# Altium PCB clock.PcbDoc (part 1 of 3) (continued)
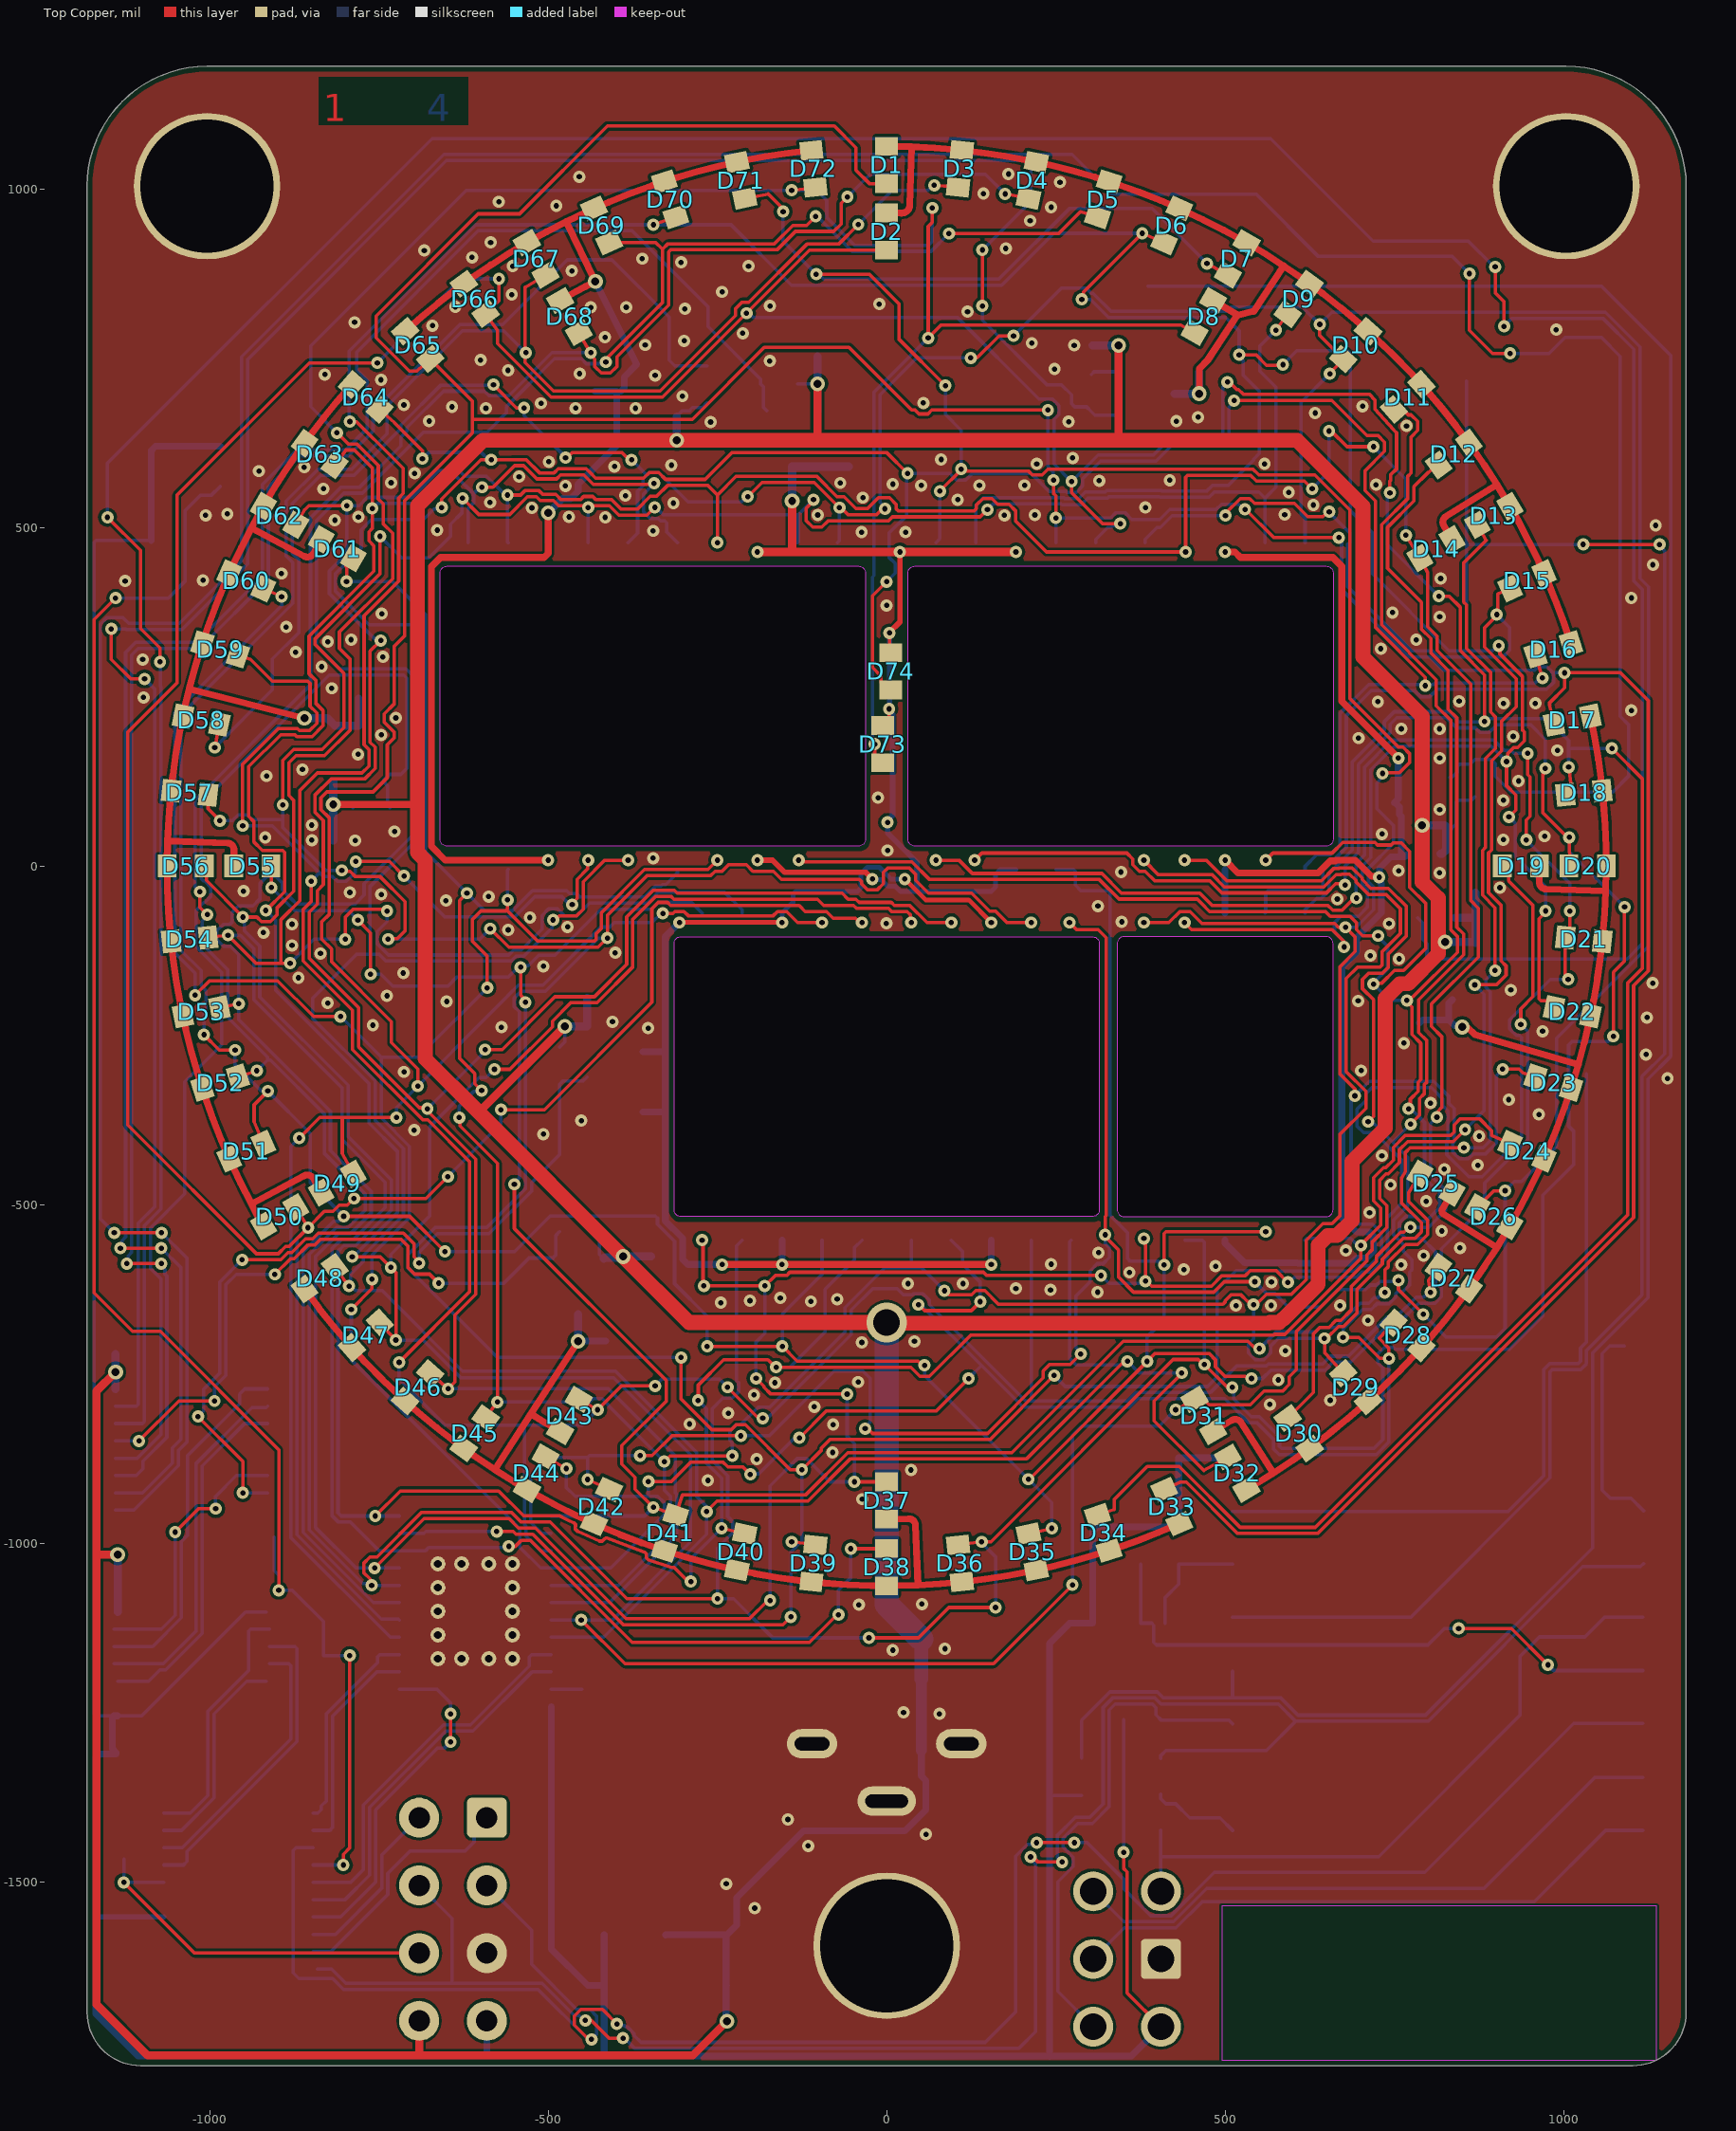
[diagram p0: Top Copper view]
## Footprints (in the part's own frame and the unit in brackets; to place one, negate y for a bottom-side part, rotate by r counter-clockwise, add the part's x,y. Pads: shape width x height; smd on the part's side, far side on the other; paste and mask are expansions set on the pad)
"0603 CHIP SMD LED" [mm] "LED 0603"
  rrect1% 0.7x0.85 smd mask+0.05: 1(-0.7,0) 2(0.7,0)
  body extent -0.8,-0.4 0.8,0.4, height 0.6
ALS-PT19-315C [mm] "Phototransistor 3216"
  rrect1% 0.8x0.8 smd: 1(-0.75,0) 2(0.75,0)
  body extent -0.85,-0.4 0.85,0.4, height 0.55
CAPC_0603_1608X08L [mm] "Chip Capacitor 0603"
  rrect1% 0.6x0.85 smd: 1(-0.725,0) 2(0.725,0)
  silkscreen extent -0.28,-0.38 0.28,0.38, body extent -0.8,-0.4 0.8,0.4, height 0.8
CAPC_1206_3216X16L [mm] "Chip Capacitor 1206"
  rrect1% 0.95x1.65 smd: 1(-1.4,0) 2(1.4,0)
  silkscreen extent -0.69,-0.71 0.69,0.71, body extent -1.6,-0.8 1.6,0.8, height 1.6
CON2X3 [mm] "2x3 2.54mm"
  round 1.5 hole 1 paste+0 mask+0: 1(0,0) 2(2.54,0) 3(5.08,0) 4(5.08,2.54) 6(0,2.54)
  rrect20% 1.5x1.5 hole 1 paste+0 mask+0: 5(2.54,2.54)
  silkscreen extent -1.4,-1.4 6.35,3.81, body extent -1.27,-1.27 6.35,3.81, height 8.38
CON2X4 [mm] "1.27 4 x 2"
  rrect25% 1.5x1.5 hole 0.8: 1(0,0)
  round 1.5 hole 0.8: 2(2.54,0) 3(5.08,0) 4(7.62,0) 5(7.62,2.54) 6(5.08,2.54) 7(2.54,2.54) 8(0,2.54)
  silkscreen extent -1.4,-1.4 8.89,3.81, body extent -1.27,-1.27 8.89,3.81, height 8.38
"ESP8266 ESP-12-E" [mm] "ESP8266 ESP-12-E"
  rrect1% 2.3x1.1 smd: 1(-16.486,16.408) 2(-16.486,14.427) 3(-16.486,12.421) 4(-16.486,10.439) 5(-16.486,8.407) 6(-16.486,6.426) 7(-16.486,4.445) 8(-16.486,2.438) 15(-1.065,2.413) 16(-1.065,4.42) 17(-1.065,6.401) 18(-1.091,8.407) 19(-1.091,10.414) 20(-1.091,12.395) 21(-1.091,14.427) 22(-1.091,16.408)
  rrect1% 1.1x2.3 smd: 9(-13.792,0.456) 10(-11.811,0.456) 11(-9.83,0.456) 12(-7.798,0.456) 13(-5.817,0.456) 14(-3.785,0.456)
  Keep-Out Layer region: -16.891,25.019 -0.583,25.019 -0.583,19.252 -16.891,19.252
  silkscreen extent -16.89,0.76 -0.64,25.02, body extent -16.76,0.83 -0.76,24.83, height 3.17
FSM-SWITCH [mm]
  rrect10% 1x2.1 smd: 1(-2.25,-4.2) 1(-2.25,4.2) 2(2.25,-4.2) 2(2.25,4.2)
  silkscreen extent -3,-3.03 3,2.97, body extent -3,-5 3,5, height 5.07
KCSA03105 [mm]
  rrect1% 1x1.25 smd: 1(3,-6.132) 2(1.5,-6.132) 3(0,-6.132) 4(-1.5,-6.132) 5(-3,-6.132) 6(-3,6.132) 7(-1.5,6.132) 8(0,6.132) 9(1.5,6.132) 10(3,6.132)
  body extent -3.8,-6.5 3.8,6.5, height 1.6
RESC1608X03L [mm] "Chip Resistor, 2-Leads, Body 1.60x0.80mm, IPC High Density"
  rrect1% 0.5x0.85 smd: 1(-0.7,0) 2(0.7,0)
  silkscreen extent -0.27,-0.18 0.28,0.17, body extent -0.8,-0.4 0.8,0.4, height 0.3
RV-8263-C7 [mm]
  rrect1% 0.5x0.8 smd: 1(-1.35,-0.8) 2(-0.45,-0.8) 3(0.45,-0.8) 4(1.35,-0.8) 5(1.35,0.8) 6(0.45,0.8) 7(-0.45,0.8) 8(-1.35,0.8)
  silkscreen extent -2.2,-1.5 2.2,1.5, body extent -1.6,-0.75 1.6,0.75, height 0.9
SOT95P230X110-3L [mm] "SOT23, 3-Leads, Body 2.90x2.30mm, Pitch 0.95mm, IPC High Density"
  rrect1% 0.7x0.55 smd: 1(-1.05,0.95) 2(-1.05,-0.95) 3(1.05,0)
  silkscreen extent -0.52,-1.5 0.53,1.5, body extent -1.3,-1.5 1.3,1.5, height 1.1
SOT230P700X180-4N [mm] "SOT223, 4-Leads, Body 6.50x7.00mm (avg), Pitch 2.30mm, IPC Medium Density"
  rrect1% 2.15x1 smd: 1(-2.925,2.3) 2(-2.925,0) 3(-2.925,-2.3)
  rrect1% 2.15x3.25 smd: 4(2.925,0)
  silkscreen extent -3.05,-3.35 1.55,3.48, body extent -3.5,-3.35 3.5,3.35, height 1.8
TESTPOINT_BIG [mm] "fatter"
  oval 2x1 smd paste-5: 1(0,0)
TESTPOINT_GND [mm] "GND"
  rrect25% 1.5x1.5 smd paste-5: 1(0,0)
TSOP65P630X120-20L [mm] "TSOP, 20-Leads, Body 6.45x4.30mm, Pitch 0.65mm, IPC High Density"
  oval 1.15x0.4 smd: 1(-2.8,2.925) 2(-2.8,2.275) 3(-2.8,1.625) 4(-2.8,0.975) 5(-2.8,0.325) 6(-2.8,-0.325) 7(-2.8,-0.975) 8(-2.8,-1.625) 9(-2.8,-2.275) 10(-2.8,-2.925) 11(2.8,-2.925) 12(2.8,-2.275) 13(2.8,-1.625) 14(2.8,-0.975) 15(2.8,-0.325) 16(2.8,0.325) 17(2.8,0.975) 18(2.8,1.625) 19(2.8,2.275) 20(2.8,2.925)
  silkscreen extent -2.92,-3.25 1.83,3.8, body extent -3.15,-3.25 3.15,3.25, height 1.2
TSOP65P640X110-16L [mm] "TSOP, 16-Leads, Body 5.00x4.40mm, Pitch 0.65mm, IPC High Density"
  oval 1.2x0.4 smd: 1(-2.85,2.275) 2(-2.85,1.625) 3(-2.85,0.975) 4(-2.85,0.325) 5(-2.85,-0.325) 6(-2.85,-0.975) 7(-2.85,-1.625) 8(-2.85,-2.275) 9(2.85,-2.275) 10(2.85,-1.625) 11(2.85,-0.975) 12(2.85,-0.325) 13(2.85,0.325) 14(2.85,0.975) 15(2.85,1.625) 16(2.85,2.275)
  silkscreen extent -1.97,-2.55 1.85,2.55, body extent -3.2,-2.55 3.2,2.55, height 1.1
TSOP65P640X120-14L [mm] "TSOP, 14-Leads, Body 5.00x4.40mm, Pitch 0.65mm, IPC High Density"
  oval 1.2x0.4 smd: 1(-2.85,1.95) 2(-2.85,1.3) 3(-2.85,0.65) 4(-2.85,0) 5(-2.85,-0.65) 6(-2.85,-1.3) 7(-2.85,-1.95) 8(2.85,-1.95) 9(2.85,-1.3) 10(2.85,-0.65) 11(2.85,0) 12(2.85,0.65) 13(2.85,1.3) 14(2.85,1.95)
  silkscreen extent -1.9,-2.55 1.85,2.55, body extent -3.2,-2.55 3.2,2.55, height 1.2
"TSOP65P640X120-24L - POWERPAD" [mm] "TSOP, 24-Leads, Body 7.80x4.40mm, Pitch 0.65mm, IPC High Density"
  oval 1.2x0.4 smd: 1(-2.85,3.575) 2(-2.85,2.925) 3(-2.85,2.275) 4(-2.85,1.625) 5(-2.85,0.975) 6(-2.85,0.325) 7(-2.85,-0.325) 8(-2.85,-0.975) 9(-2.85,-1.625) 10(-2.85,-2.275) 11(-2.85,-2.925) 12(-2.85,-3.575) 13(2.85,-3.575) 14(2.85,-2.925) 15(2.85,-2.275) 16(2.85,-1.625) 17(2.85,-0.975) 18(2.85,-0.325) 19(2.85,0.325) 20(2.85,0.975) 21(2.85,1.625) 22(2.85,2.275) 23(2.85,2.925) 24(2.85,3.575)
  round 0.56 hole 0.3 mask+0.102: 25(-1.397,-1.778) 25(-1.397,-0.889) 25(-1.397,0) 25(-1.397,0.889) 25(-1.397,1.778) 25(-0.508,-1.778) 25(-0.508,1.778) 25(0.508,-1.778) 25(0.508,1.778) 25(1.397,-1.778) 25(1.397,-0.889) 25(1.397,0) 25(1.397,0.889) 25(1.397,1.778)
  rrect17% 3.355x4.12 smd mask+0.102: 25(0,0)
  silkscreen extent -2.97,-3.95 1.85,4.45, body extent -3.2,-3.95 3.2,3.95, height 1.2
"USB 1051330011" [mm] "USB Micro B Right Angle SMT 1051330011"
  rrect50% 0.45x1.5 smd mask+0.04: 1(-1.3,0.825) 2(-0.65,0.825) 3(0,0.825) 4(0.65,0.825) 5(1.3,0.825)
  oval 1.9x1.1 hole 0.5 slot 1.3 at 0 deg: S(-2.8,1.075) S(2.8,1.075)
  oval 2.2x1.1 hole 0.5 slot 1.6 at 0 deg: S(0,-1.075)
  body extent -4.02,-1.56 3.98,1.46, height 6.71

## Part data
ALS1: "Photo transistor"
C1 C2 C3 C4 C5 C6 C7 C8 C9 C10 C11 C12 C13 C14 C15 C16 C17 C18 C19 C20 C21: "Capacitor", LatestRevisionDate=17-Jul-2002, LatestRevisionNote="Re-released for DXP Platform.", PackageDescription="Radial Cap, Thru-Hole; 2 Leads; 0.3 in Pin Spacing", PackageReference=RAD-0.3, Published=8-Jun-2000, Publisher="Altium Limited"
CON1: "Header 4 way"
CON2: "Debug header 6 way"
D1 D2 D3 D4 D5 D6 D7 D8 D9 D10 D11 D12 D13 D14 D15 D16 D17 D18 D19 D20 D21 D22 D23 D24 D25 D26 D27 D28 D29 D30 D31 D32 D33 D34 D35 D36 D37 D38 D39 D40 D41 D42 D43 D44 D45 D46 D47 D48 D49 D50 D51 D52 D53 D54 D55 D56 D57 D58 D59 D60 D61 D62 D63 D64 D65 D66 D67 D68 D69 D70 D71 D72 D73 D74: "Red 0603 SMD LED"
DIG1 DIG2 DIG3 DIG4 DIG5 DIG6 DIG7: "Low profile 7 segment digit"
IC1: "16 channel cc sink led driver", ClassName=LED_DRIVER
IC2: "4 channel level shifter"
IC3: "3 -> 8 demux"
IC4: "MCU 64MHz tssop20"
IC5: "3.3v LDO"
J1: library part "USB 2.0 Type B Micro", "USB 2.0 Type B Micro vertical SMT", ClassName=USB_CONNECTOR
R1 R2 R3 R4 R5 R6 R7 R8 R9 R10 R11 R12 R13 R14 R15 R16 R17 R18 R19 R20 R21 R22 R23 R24 R25 R26: "Chip Resistor"
S1 S2 S3: library part "tactile switch", "6x6mm SMD tactile switch,SPST-NO", Manufacturer_Name="TE Connectivity", RS Part Number=1616046, Allied_Number=R1117787, Datasheet Link=http://uk.rs-online.com/web/p/products/1616046, Manufacturer_Part_Number=4-1437565-1
U1 U2 U3 U4 U5 U6 U7 U8: "P channel mosfet 1.2A"

## Free pads (board coordinates)
  round 216.54 hole 196.85 paste+0 mask+0: P2(-1003.94,1003.94) P2(0,-1594.49) P2(1003.94,1003.94)

## Via types
v1: diameter 18.11/18.11/18.11/18.11 (per signal layer), hole 7.87, Top Copper to Bottom Copper, tented both sides, 610 vias
v2: diameter 22, hole 11.81, Top Copper to Bottom Copper, tented both sides, 18 vias
v3: diameter 59.06, hole 39.37, Top Copper to Bottom Copper, tented both sides, 1 vias

## Nets (pads, with @x,y where several pads share a name; then routed paths per layer and width w, separated by ;. In a path a pad name is that pad's centre, name@x,y a point inside that pad or via, vN(x,y) a via of type N, cw(c..) or ccw(c..) an arc to the next point about the centre after c; other vN are vias at no path point)
+3v3: ALS1.1 C1.2 C2.2 C13.2 C14.2 C15.2 C17.2 C21.2 CON1.4 CON2.6 IC1.24 IC2.1 IC2.8 IC4.4 IC5.3 IC6.5 IC7.8 R18.2 R19.2 R21.1 R22.1 R23.1 R24.1 R25.1 | length 6904.8
  Top Copper w5: v1(350,-1456.53) 350,-1480.28 355.22,-1485.5 355.22,-1664.28 CON2.6@405.12,-1714.17
  Bottom Copper w5: IC2.8@-1141.33,-1255 -1167.8,-1255 -1170.73,-1252.07 -1170.73,477.87 -1167.8,480.8 C14.2@-1086.58,480.8 ; IC2.8@-1136.07,-1255 -1100.5,-1255 -946.95,-1101.45 IC2.1@-916.66,-1101.45 ; 240.41,-1372.56 R21.1@288,-1372.56 ; v1(350,-1456.53) R24.1@350,-1424.13 R23.1@350,-1370.98 R25.1@350,-1317.83 R22.1@350,-1260.95
  Bottom Copper w8: -1168.23,-1552.09 C13.2@-1125,-1552.09 IC4.4@-1068.01,-1552.09
  Bottom Copper w10: C2.2@-1138.07,-1311.27 -1162.37,-1311.27 -1168.23,-1317.12 -1168.23,-1552.09 -1168.23,-1695.34 -1105.85,-1757.71 -417.21,-1757.71 ; C2.2@-1138.07,-1309.36 -1143.99,-1303.44 -1143.99,-1257.65 -1141.33,-1255 IC2.8@-1136.07,-1255 ; C14.2@-1086.58,480.8 -1086.58,613.42 -1079.92,620.08 ALS1.1@-984.26,620.08 ; CON1.4@-590.64,-1705.43 -590.55,-1705.52 -590.55,-1757.51 ; IC1.24@-495.59,-1241.37 C1.2@-495.59,-1281.47 -495.59,-1599.21 -441.6,-1653.2 C17.2@-417.21,-1653.2 ; IC5.3@-417.21,-1578.49 C17.2@-417.21,-1653.2 ; 240.41,-1757.78 240.41,-1757.71 ; CON2.6@405.12,-1714.17 361.58,-1757.71 240.41,-1757.71 ; IC7.8@511,-874.13 C21.2@431.58,-874.13 R18.2@431.58,-976.01 R19.2@375.49,-976.01 310.48,-976.01 304.62,-981.87 IC6.5@304.62,-1118.14 270.5,-1118.14 240.41,-1148.23 C15.2@240.41,-1175.52 240.41,-1372.56 240.41,-1757.71 ; -417.21,-1757.71 C17.2@-417.21,-1653.2 ; -417.21,-1757.71 240.41,-1757.71
+5: C3.2 C4.2 C5.2 C6.2 C7.2 C8.2 C9.2 C10.2 C11.2 C12.2 C16.2 C20.2 CON1.5 IC2.14 IC3.16 IC5.1 IC5.2 J1.1 R2.2 R3.2 R4.2 R5.1 R6.2 R7.2 R8.2 R9.2 TP19.1 U1.2 U2.2 U3.2 U4.2 U5.2 U6.2 U7.2 U8.2 | length 10126.4
  Top Copper w10: v2(-817.47,90.96) -695.65,90.96
  Top Copper w12: v2(-1139.07,-747.28) -1167.23,-775.44 -1167.23,-1016.92 ; v2(-1136.07,-1016.92) -1167.23,-1016.92 ; -690.64,-1756.66 CON1.5@-690.64,-1705.43 ; -602.52,-363.7 v2(-475.55,-236.73) ; v2(-236.11,-1706.22) -286.56,-1756.67 -1091.75,-1756.67 -1167.23,-1681.19 -1167.23,-1016.92 ; -102.21,628.79 v2(-102.21,712.31) ; 342.41,628.79 v2(342.41,769)
  Top Copper w22: -693.32,20.1 -693.32,532.14 -596.67,628.79 v2(-310.08,628.79) -102.21,628.79 342.41,628.79 606.11,628.79 703.51,531.39 703.51,308.74 791,221.26 v2(791,60) 791,-23.69 814.76,-47.44 814.76,-129.31 770.36,-173.71 758.22,-173.71 736.59,-195.35 736.59,-387.27 687.32,-436.53 687.32,-523.5 665.23,-545.59 651.77,-545.59 637.48,-559.88 637.48,-617.84 585.66,-669.66 584.63,-669.66 580.13,-674.16 566.09,-674.16 565.09,-675.16 1,-675.16 v3(0,-674.16) -292.06,-674.16 v2(-389.47,-576.75) -602.52,-363.7 -681.6,-284.61 -681.6,8.38 -693.32,20.1
  Bottom Copper w5: v2(-817.47,90.96) -793.43,90.96 R5.1@-788.67,86.2 ; R9.2@-483.23,-267.28 -475.55,-259.6 v2(-475.55,-236.73) ; R4.2@-428.25,-540.22 -424.09,-544.38 -424.09,-573.73 U3.2@-418.25,-579.57 ; U5.2@-310.08,664.07 -302.22,671.93 -291.93,671.93 -286.84,677.02 -272.33,677.02 R6.2@-265.6,683.75 ; R7.2@-131.33,712.31 v2(-102.21,712.31) ; R2.2@302.58,726.04 306.49,729.96 337.32,729.96 U1.2@342.41,735.04 ; U7.2@831.61,55.84 U7.2@832.1,55.84 834.56,55.84 840.95,62.22 840.95,94.03 843.88,96.96 863.52,96.96 R8.2@869,102.44
  Bottom Copper w10: IC5.2@-326.66,-1578.49 -326.46,-1578.29 -236.31,-1578.29 IC5.1@-236.11,-1578.49 ; v2(-236.11,-1706.22) -237.29,-1705.04 -237.29,-1654.39 C16.2@-236.11,-1653.2 -237.29,-1652.02 -237.29,-1579.67 IC5.1@-236.11,-1578.49 ; J1.1@51.18,-1306.1 51.18,-1343.82 58.05,-1350.69 58.05,-1393.95 27.04,-1424.96 -122.91,-1424.96 -221.42,-1523.47 -221.42,-1563.81 IC5.1@-236.11,-1578.49
  Bottom Copper w12: IC3.16@-1139.07,-772.17 v2(-1139.07,-747.28) C4.2@-1139.07,-720.46 ; IC2.14@-1136.07,-1101.45 C3.2@-1136.07,-1054.18 v2(-1136.07,-1016.92) ; C8.2@-817.47,38 v2(-817.47,90.96) U4.2@-817.47,124.23 ; v2(-475.55,-236.73) U8.2@-442.44,-236.73 C7.2@-442.44,-195 ; U3.2@-418.25,-579.57 -416.84,-578.16 -390.88,-578.16 v2(-389.47,-576.75) C5.2@-348,-576.75 ; U5.2@-310.08,664.07 v2(-310.08,628.79) C9.2@-269,628.79 ; U6.2@-102.21,672.59 v2(-102.21,712.31) C11.2@-102.21,753 ; C10.2@304,769 v2(342.41,769) U1.2@342.41,735.04 ; v2@790,60 824.58,60 U7.2@828.75,55.84 ; C12.2@818.07,17.98 820.56,17.98 826.37,23.8 826.37,53.46 U7.2@828.75,55.84 ; v2(824.91,-112.15) 868.66,-112.15 870.13,-113.62 C6.2@870.13,-39.1 ; U7.2@831.61,55.84 U7.2@828.75,55.84 ; R3.2@839.54,-76.63 870.13,-76.63
  Bottom Copper w16: J1.1@51.18,-1306.1 C20.2@51.18,-1200.79
  Bottom Copper w20: C20.2@51.18,-1200.79 51.18,-1141.73
  Bottom Copper w36: v3(0,-674.16) TP19.1@0,-945.83 0,-1090.55 51.18,-1141.73
A0: D1.1 D2.1 D3.1 D4.1 D5.1 D6.1 D7.1 D8.1 D9.1 D10.1 D11.1 D12.1 D13.1 D14.1 D15.1 D16.1 R10.2 U1.3 | length 1941.4
  Top Copper w10: D2.1@0,964.57 21.87,964.19 ccw(c22.08,976.18) 34.08,975.81 37.1,1062.34 ; D1.1@0,1062.99 cw(c0,0) 37.1,1062.34 ; v2(461.76,697.64) 461.76,734.64 474.19,747.07 518.19,813.55 ; D8.1@482.34,835.31 518.56,813.76 ; 518.37,813.44 ccw(c512.89,805.07) 518.19,813.55 ; D14.1@835.34,482.28 823.06,502.72 cw(c831.63,507.87) 826.33,516.35 901.47,563.3 ; D16.1@1010.97,328.48 ccw(c0,0) 901.47,563.3 ; 37.1,1062.34 cw(c0,0) 586.7,886.41 ; 518.19,813.55 542.31,819.34 586.7,886.41 ; 586.7,886.41 cw(c0,0) 901.47,563.3
  Bottom Copper w12: U1.3@425.09,697.64 v2(461.76,697.64) R10.2@461.76,729.64
A1: D17.1 D18.1 D19.1 D20.1 D21.1 D22.1 D23.1 D24.1 D25.1 D26.1 D27.1 D28.1 D29.1 D30.1 D31.1 D32.1 R11.2 U2.3 | length 2013.2
  Top Copper w10: D31.1@482.28,-835.34 509.9,-818.58 cw(c515.08,-827.13) 523.54,-821.8 571.15,-896.52 ; D32.1@531.5,-920.58 ccw(c0,0) 571.15,-896.52 ; D25.1@835.34,-482.28 822.46,-503.94 822.39,-504.04 821.14,-506.06 ccw(c826.24,-509.22) 823.07,-514.31 901.47,-563.3 ; v2(850.33,-237.76) 857.76,-237.76 869.25,-249.25 871.74,-249.97 1021.81,-293 ; 964.15,-23.88 ccw(c974.15,-24.01) 973.8,-34.01 1062.34,-37.1 ; 964.15,-23.84 D19.1@964.57,0 ; D17.1@1039.76,221.01 cw(c0,0) 1062.34,-37.1 ; 571.15,-896.52 ccw(c0,0) 901.47,-563.3 ; 901.47,-563.3 ccw(c0,0) 1021.81,-293 ; 1021.81,-293 ccw(c0,0) 1062.34,-37.1
  Bottom Copper w10: R11.2@787.32,-231.69 791.82,-227.18 830.51,-227.18 ; U2.3@835.48,-197.45 830.51,-202.43 830.51,-227.18 ; v2(850.33,-237.76) 848.03,-235.46 838.79,-235.46 830.51,-227.18
A2: D33.1 D34.1 D35.1 D36.1 D37.1 D38.1 D39.1 D40.1 D41.1 D42.1 D43.1 D44.1 D45.1 D46.1 D47.1 D48.1 R12.1 U3.3 | length 1942.4
  Top Copper w10: D48.1@-859.98,-624.81 ccw(c0,0) -578.95,-891.5 ; D43.1@-482.28,-835.34 -503.87,-822.49 ; v2@-454.9,-700.48 v2(-455.65,-701.64) -525.34,-808.95 ; D37.1@0,-964.57 32.29,-963.86 cw(c32.51,-973.86) 42.5,-973.46 46.37,-1061.98 ; D33.1@432.36,-971.09 cw(c0,0) 46.37,-1061.98 ; -578.95,-891.5 ccw(c0,0) 46.37,-1061.98 ; -578.95,-891.5 -525.34,-808.95 ; -525.34,-808.95 -504.12,-822.34 ; -504.12,-822.34 ccw(c-498.76,-813.9) -503.87,-822.5 ; -504.12,-822.34 ccw(c-498.76,-813.9) -503.87,-822.5 ; -504.1,-822.36 ccw(c-498.76,-813.9) -503.87,-822.5
  Bottom Copper w10: v2(-455.65,-701.64) R12.1@-415,-701.64
  Bottom Copper w12: v2(-455.65,-701.64) U3.3@-455.65,-662.25
A3: D49.1 D50.1 D51.1 D52.1 D53.1 D54.1 D55.1 D56.1 D57.1 D58.1 D59.1 D60.1 D61.1 D62.1 D63.1 D64.1 R13.2 U4.3 | length 2035.3
  Top Copper w10: D55.1@-964.57,0 -964.15,23.84 ccw(c-974.15,24.01) -973.81,34.01 -1062.34,37.1 ; D50.1@-920.58,-531.5 cw(c0,0) -938.57,-499.04 ; v2(-860.09,218.43) -1030.28,261.66 ; D49.1@-835.34,-482.28 -846.9,-461.43 ccw(c-855.64,-466.28) -860.36,-457.46 -938.57,-499.04 ; D61.1@-835.34,482.28 -846.9,461.43 ; D64.1@-789.96,711.28 ccw(c0,0) -938.57,499.04 ; -1062.34,37.1 cw(c0,0) -1030.28,261.66 ; -1062.34,37.1 ccw(c0,0) -938.57,-499.04 ; -1030.28,261.66 cw(c0,0) -938.57,499.04 ; -938.57,499.04 -860.38,457.47 ccw(c-855.64,466.28) -859.02,456.87 ; -859.02,456.87 ccw(c-855.64,466.28) -846.9,461.43 ; -859.02,456.87 ccw(c-855.64,466.28) -846.9,461.43
  Bottom Copper w10: U4.3@-780.06,206.9 R13.2@-780.06,248
  Bottom Copper w12: v2(-860.09,218.43) -826.22,218.43 -814.69,206.9 U4.3@-780.06,206.9
A4: D65.1 D66.1 D67.1 D68.1 D69.1 D70.1 D71.1 D72.1 DIG1.3 DIG1.8 R14.2 U5.3 | length 2150.6
  Top Copper w10: D65.1@-711.28,789.96 cw(c0,0) -473.54,951.69 ; v1(-500,8.58) -652.11,8.58 -672.32,28.8 -672.32,32.08 -672.32,442.48 -659.02,455.79 -505.86,455.79 -500,461.65 v2(-500,521.57) ; D68.1@-482.28,835.34 -460.35,847.62 cw(c-455.46,838.9) -460.14,847.74 -445.47,855.53 cw(c-440.78,846.71) -445.29,855.63 v2(-430.37,863.19) -473.53,951.69 ; D72.1@-111.11,1057.17 ccw(c0,0) -473.54,951.69
  Bottom Copper w10: DIG1.8@-500,477.64 v2(-500,521.57) -478.97,542.6 -466.81,542.6 -455.81,553.6 -455.81,564.16 -398.85,621.12 -398.85,701.47 R14.2@-431,701.47 ; v2(-430.37,863.19) -369.35,740.8 -387.72,722.43 -387.72,706.29 U5.3@-392.54,701.47
A5: D73.1 D74.1 DIG2.3 DIG2.8 DIG3.3 DIG3.8 R15.1 U6.3 | length 1607.7
  Top Copper w5: D73.1@-6,207.56 3.62,217.18 v1(3.62,232.06) ; v1(4.07,344.29) 4.07,322.36 1.41,319.7 D74.1@6,315.12
  Top Copper w8: v1(-190.94,8.58) -168.58,8.58 -150.8,-9.2 -30.9,-9.2 v1(-21.02,-19.07) ; v1(4.07,344.29) 4.07,345.12 19.62,360.67 v1(19.62,463.86)
  Top Copper w12: v1(-190.94,463.86) -139.61,463.86 ; v2(-139.61,539.21) -139.61,463.86 ; v1(190.95,463.86) v1(19.62,463.86) -139.61,463.86
  Bottom Copper w7: v1(-21.02,-19.07) -20.13,-19.97 -8.26,-19.97 1.85,-30.07 13.07,-30.07 20.5,-37.5 44.5,-37.5 154.37,-37.5 161.06,-30.8 161.06,-11.89 167.76,-5.2 DIG2.3@190.95,-5.2
  Bottom Copper w8: v1(3.62,232.06) 3.62,229.32 8.92,224.02 8.92,74.75 1.41,67.24 1.41,48.58 44.5,5.5 44.5,-36.53 ; v1(4.07,344.29) 4.21,344.15 v1@4.21,232.06
  Bottom Copper w12: v2(-139.61,539.21) U6.3@-139.61,589.91 R15.1@-56,589.91
  other v1: 1.41,64.51
A6: DIG4.3 DIG4.8 DIG5.3 DIG5.8 R16.1 U7.3 | length 1879.4
  Top Copper w10: v1(500,8.58) 518.78,-10.2 637.49,-10.2 655.34,7.65 662.74,7.65 663.81,8.72 692.27,8.72 716.01,-15.02 726.04,-15.02 v1(727.59,-16.57) ; v1(500,463.86) 514.32,463.86 522.39,455.79 659.02,455.79 672.32,442.48 672.32,243.17 v1(755.98,159.51)
  Bottom Copper w10: DIG4.3@500,-552.44 500,-557.36 528.74,-586.1 607.12,-586.1 607.73,-586.71 686.11,-586.71 693.7,-579.13 708.43,-579.13 719.43,-568.13 719.43,-556.69 718.97,-556.24 718.97,-546.35 713.12,-540.5 693.75,-540.5 672.32,-519.06 672.32,-149.46 694.56,-127.23 694.56,-105.34 730.8,-69.09 730.8,-25.52 729.14,-23.86 729.14,-18.12 v1(727.59,-16.57) 728.25,-15.91 728.25,-3.21 744.86,13.41 765.41,13.41 R16.1@769,17 ; DIG4.8@500,-69.61 DIG5.3@500,-5.2 ; U7.3@749.91,93.24 755.73,99.06 755.73,159.26 v1(755.98,159.51) ; U7.3@753.31,91.76 757.67,87.41 757.67,76.22 760.13,73.75 760.13,19.95 R16.1@763.09,17
A7: DIG6.3 DIG6.8 DIG7.3 DIG7.8 R17.1 U8.3 | length 1668.3
  Top Copper w7: v1(-306.1,-83.39) v1(-154.53,-83.39) ; v1(26.72,-19.07) 57.64,-50 121.14,-50 v1(154.53,-83.39)
  Top Copper w10: v1(-243.11,-588.42) v1(-154.53,-588.42) v1(154.53,-588.42)
  Bottom Copper w7: v1(-154.53,-83.39) DIG6.8@-154.53,-69.61 -138.34,-53.42 -138.34,-41.82 -134.03,-37.5 -43.25,-37.5 -38.3,-32.55 -38.3,-11.92 -28.18,-1.79 -10.87,-1.79 6.41,-19.07 v1(26.72,-19.07)
  Bottom Copper w10: R17.1@-359.76,-363 -327,-363 ; U8.3@-359.76,-274.13 -326.85,-274.13 ; v1(-306.1,-83.39) -326.85,-104.14 -326.85,-274.13 ; v1(-243.11,-588.42) -293.56,-588.42 -301.32,-580.66 -301.32,-549.68 -326.85,-524.15 -326.85,-274.13 ; v1(-154.53,-588.42) DIG6.3@-154.53,-552.44 ; v1(154.53,-588.42) DIG7.3@154.53,-552.44
BTN1: IC7.4 R21.2 S1.2 | length 3607.7
  Bottom Copper w5: R21.2@288,-1317.44 288,-1261.78 330.07,-1219.72 400.02,-1219.72 409.02,-1228.72 511,-1228.72 ; S1.2@385.8,856.13 S1.2@716.51,856.13 1056.34,856.13 1158.12,754.35 1158.12,-281.19 1124.83,-314.48 1124.83,-637.17 1043,-719 1043,-1007 796,-1254 607.73,-1254 582.44,-1228.72 511,-1228.72 ; IC7.4@511,-1189.13 511,-1228.72